# KiCad board CDJ-MainBoard.kicad_pcb (continued)
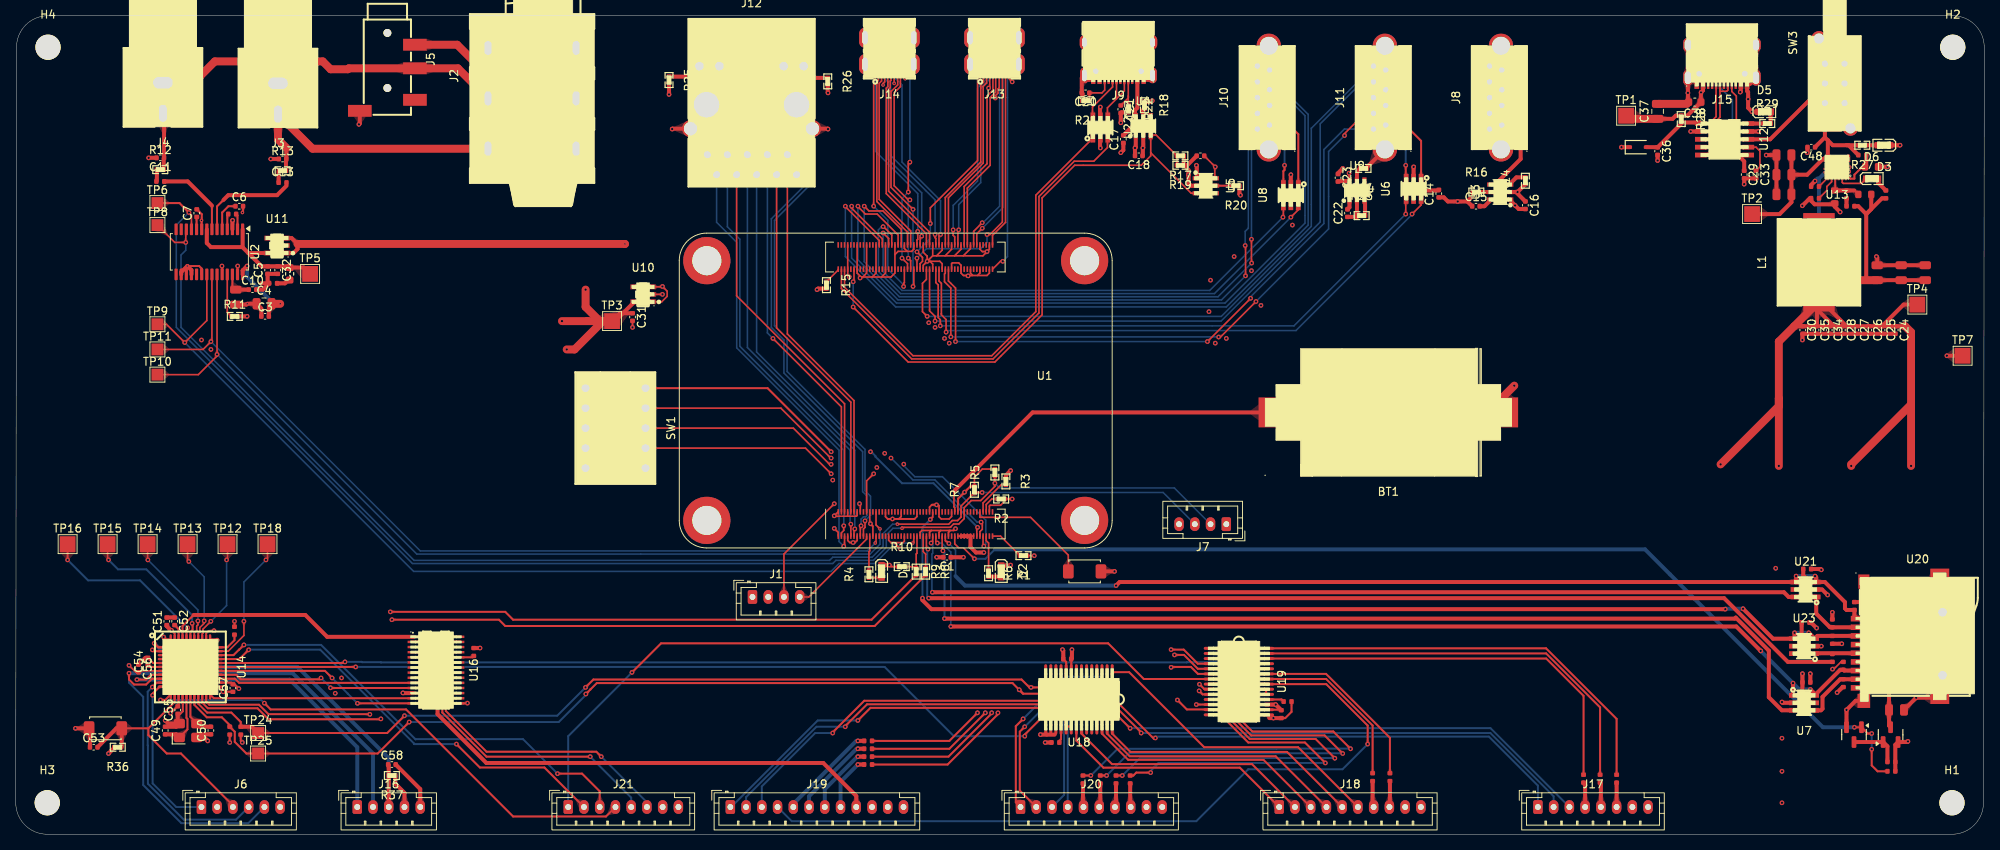
[diagram p0: board, top side]
## Library data of the parts (continued)
Q2 = -: Datasheet: https://www.lcsc.com/datasheet/lcsc_datasheet_1808272021_Vishay-Intertech-SI2301CDS-T1-GE3_C10487.pdf; Description: 20V 3.1A 112mΩ@4.5V,2.8A 1V@250uA 1 Piece P-Channel SOT-23 MOSFETs ROHS; LCSC: C10487; Stock: 476267; Price: 0.058USD; Process: SMT; Minimum Qty: 5; Attrition Qty: 4; Class: Basic Component; Category: Transistors,MOSFETs; Manufacturer: Vishay Intertech; Part: SI2301CDS-T1-GE3; Continuous Drain Current (Id): 2.3A; Input Capacitance (Ciss@Vds): 405pF@10V; Operating Temperature: -55°C~+150°C; Type: 1 Piece P-Channel; Drain Source Voltage (Vdss): 20V; Power Dissipation (Pd): 0.86W; Gate Threshold Voltage (Vgs(th)@Id): 1V@250uA; Reverse Transfer Capacitance (Crss@Vds): 55pF@10V; Drain Source On Resistance (RDS(on)@Vgs,Id): 0.112Ω@4.5V,2.8A; Total Gate Charge (Qg@Vgs): 3.3nC@10V; ki_fp_filters: Q_*
R1-R27 R29 R36 = -: Description: Resistor; ki_fp_filters: R_*
R28 = -: Description: Resistor; LCSC: C22978; ki_fp_filters: R_*
R30 = -: Datasheet: https://www.lcsc.com/datasheet/lcsc_datasheet_2206010100_UNI-ROYAL-Uniroyal-Elec-0402WGF1003TCE_C25741.pdf; Description: 62.5mW Thick Film Resistors 50V ±100ppm/°C ±1% 100kΩ 0402 Chip Resistor - Surface Mount ROHS; LCSC: C25741; Stock: 6969783; Price: 0.004USD; Process: SMT; Minimum Qty: 20; Attrition Qty: 10; Class: Basic Component; Category: Resistors,Chip Resistor - Surface Mount; Manufacturer: UNI-ROYAL(Uniroyal Elec); Part: 0402WGF1003TCE; Power(Watts): 62.5mW; Type: Thick Film Resistors; Overload Voltage (Max): 50V; Operating Temperature Range: -55°C~+155°C; Tolerance: ±1%; Temperature Coefficient: ±100ppm/°C; ki_fp_filters: R_*
R31 = -: Datasheet: https://www.lcsc.com/datasheet/lcsc_datasheet_2206010045_UNI-ROYAL-Uniroyal-Elec-0603WAF1802T5E_C25810.pdf; Description: 100mW Thick Film Resistors 75V ±100ppm/°C ±1% 18kΩ 0603 Chip Resistor - Surface Mount ROHS; LCSC: C25810; Stock: 574660; Price: 0.004USD; Process: SMT; Minimum Qty: 20; Attrition Qty: 10; Class: Basic Component; Category: Resistors,Chip Resistor - Surface Mount; Manufacturer: UNI-ROYAL(Uniroyal Elec); Part: 0603WAF1802T5E; Power(Watts): 100mW; Type: Thick Film Resistors; Overload Voltage (Max): 75V; Operating Temperature Range: -55°C~+155°C; Tolerance: ±1%; Temperature Coefficient: ±100ppm/°C; ki_fp_filters: R_*
R32 = -: Datasheet: https://www.lcsc.com/datasheet/lcsc_datasheet_2411221126_UNI-ROYAL-Uniroyal-Elec-0402WGF100JTCE_C25077.pdf; Description: 62.5mW Thick Film Resistors 50V ±1% ±200ppm/°C 10Ω 0402 Chip Resistor - Surface Mount ROHS; LCSC: C25077; Stock: 4873481; Price: 0.004USD; Process: SMT; Minimum Qty: 20; Attrition Qty: 10; Class: Basic Component; Category: Resistors,Chip Resistor - Surface Mount; Manufacturer: UNI-ROYAL(Uniroyal Elec); Part: 0402WGF100JTCE; Power(Watts): 62.5mW; Type: Thick Film Resistors; Overload Voltage (Max): 50V; Operating Temperature Range: -55°C~+155°C; Tolerance: ±1%; Temperature Coefficient: ±200ppm/°C; ki_fp_filters: R_*
R33 = -: Datasheet: https://www.lcsc.com/datasheet/lcsc_datasheet_2205311900_UNI-ROYAL-Uniroyal-Elec-0402WGF5100TCE_C25123.pdf; Description: 62.5mW Thick Film Resistors 50V ±100ppm/°C ±1% 510Ω 0402 Chip Resistor - Surface Mount ROHS; LCSC: C25123; Stock: 2434473; Price: 0.004USD; Process: SMT; Minimum Qty: 20; Attrition Qty: 12; Class: Basic Component; Category: Resistors,Chip Resistor - Surface Mount; Manufacturer: UNI-ROYAL(Uniroyal Elec); Part: 0402WGF5100TCE; Power(Watts): 62.5mW; Type: Thick Film Resistors; Overload Voltage (Max): 50V; Operating Temperature Range: -55°C~+155°C; Tolerance: ±1%; Temperature Coefficient: ±100ppm/°C; ki_fp_filters: R_*
R34 = -: Datasheet: https://www.lcsc.com/datasheet/lcsc_datasheet_2206010045_UNI-ROYAL-Uniroyal-Elec-0603WAF2003T5E_C25811.pdf; Description: 100mW Thick Film Resistors 75V ±100ppm/°C ±1% 200kΩ 0603 Chip Resistor - Surface Mount ROHS; LCSC: C25811; Stock: 1426208; Price: 0.004USD; Process: SMT; Minimum Qty: 20; Attrition Qty: 10; Class: Basic Component; Category: Resistors,Chip Resistor - Surface Mount; Manufacturer: UNI-ROYAL(Uniroyal Elec); Part: 0603WAF2003T5E; Power(Watts): 100mW; Type: Thick Film Resistors; Overload Voltage (Max): 75V; Operating Temperature Range: -55°C~+155°C; Tolerance: ±1%; Temperature Coefficient: ±100ppm/°C; ki_fp_filters: R_*
R35 = -: Datasheet: https://www.lcsc.com/datasheet/lcsc_datasheet_2206010130_UNI-ROYAL-Uniroyal-Elec-0603WAF2702T5E_C22967.pdf; Description: 100mW Thick Film Resistors 75V ±100ppm/°C ±1% 27kΩ 0603 Chip Resistor - Surface Mount ROHS; LCSC: C22967; Stock: 708507; Price: 0.004USD; Process: SMT; Minimum Qty: 20; Attrition Qty: 10; Class: Basic Component; Category: Resistors,Chip Resistor - Surface Mount; Manufacturer: UNI-ROYAL(Uniroyal Elec); Part: 0603WAF2702T5E; Power(Watts): 100mW; Type: Thick Film Resistors; Overload Voltage (Max): 75V; Operating Temperature Range: -55°C~+155°C; Tolerance: ±1%; Temperature Coefficient: ±100ppm/°C; ki_fp_filters: R_*
R37 = -: Description: Resistor pull up; ki_fp_filters: R_*
R41 R52 R55 R70-R76 = -: Datasheet: https://www.lcsc.com/datasheet/lcsc_datasheet_2411221126_UNI-ROYAL-Uniroyal-Elec-0402WGF1002TCE_C25744.pdf; Description: 62.5mW Thick Film Resistors 50V ±100ppm/°C ±1% 10kΩ 0402 Chip Resistor - Surface Mount ROHS; LCSC: C25744; Stock: 24372091; Price: 0.004USD; Process: SMT; Minimum Qty: 20; Attrition Qty: 10; Class: Basic Component; Category: Resistors,Chip Resistor - Surface Mount; Manufacturer: UNI-ROYAL(Uniroyal Elec); Part: 0402WGF1002TCE; Power(Watts): 62.5mW; Type: Thick Film Resistors; Overload Voltage (Max): 50V; Operating Temperature Range: -55°C~+155°C; Tolerance: ±1%; Temperature Coefficient: ±100ppm/°C; ki_fp_filters: R_*
R53 R54 = -: Datasheet: https://www.lcsc.com/datasheet/lcsc_datasheet_2206010045_UNI-ROYAL-Uniroyal-Elec-0402WGF4701TCE_C25900.pdf; Description: 62.5mW Thick Film Resistors 50V ±100ppm/°C ±1% 4.7kΩ 0402 Chip Resistor - Surface Mount ROHS; LCSC: C25900; Stock: 7644059; Price: 0.004USD; Process: SMT; Minimum Qty: 20; Attrition Qty: 10; Class: Basic Component; Category: Resistors,Chip Resistor - Surface Mount; Manufacturer: UNI-ROYAL(Uniroyal Elec); Part: 0402WGF4701TCE; Power(Watts): 62.5mW; Type: Thick Film Resistors; Overload Voltage (Max): 50V; Operating Temperature Range: -55°C~+155°C; Tolerance: ±1%; Temperature Coefficient: ±100ppm/°C; ki_fp_filters: R_*
R56-R68 = -: Datasheet: https://www.lcsc.com/datasheet/lcsc_datasheet_2205311900_UNI-ROYAL-Uniroyal-Elec-0402WGF3300TCE_C25104.pdf; Description: 62.5mW Thick Film Resistors 50V ±100ppm/°C ±1% 330Ω 0402 Chip Resistor - Surface Mount ROHS; LCSC: C25104; Stock: 1159127; Price: 0.004USD; Process: SMT; Minimum Qty: 20; Attrition Qty: 10; Class: Basic Component; Category: Resistors,Chip Resistor - Surface Mount; Manufacturer: UNI-ROYAL(Uniroyal Elec); Part: 0402WGF3300TCE; Power(Watts): 62.5mW; Type: Thick Film Resistors; Overload Voltage (Max): 50V; Operating Temperature Range: -55°C~+155°C; Tolerance: ±1%; Temperature Coefficient: ±100ppm/°C; ki_fp_filters: R_*
R69 = -: Datasheet: https://www.lcsc.com/datasheet/lcsc_datasheet_2205311900_UNI-ROYAL-Uniroyal-Elec-0402WGF330JTCE_C25105.pdf; Description: 62.5mW Thick Film Resistors 50V ±100ppm/°C ±1% 33Ω 0402 Chip Resistor - Surface Mount ROHS; LCSC: C25105; Stock: 2122900; Price: 0.004USD; Process: SMT; Minimum Qty: 20; Attrition Qty: 10; Class: Basic Component; Category: Resistors,Chip Resistor - Surface Mount; Manufacturer: UNI-ROYAL(Uniroyal Elec); Part: 0402WGF330JTCE; Power(Watts): 62.5mW; Type: Thick Film Resistors; Overload Voltage (Max): 50V; Operating Temperature Range: -55°C~+155°C; Tolerance: ±1%; Temperature Coefficient: ±100ppm/°C; ki_fp_filters: R_*
SW1 = -: Datasheet: https://so.szlcsc.com/global.html?c=&k=C126889; LCSC: C126889
SW2 SW4 = -: Description: Push button switch, generic, two pins
SW3 = -: Datasheet: https://atta.szlcsc.com/upload/public/pdf/source/20210825/03FED21E2D4F2980BA08F4ED04C13B40.pdf; LCSC: C19190928
TP1-TP16 TP18 TP24 TP25 = -: Description: test point; ki_fp_filters: Pin* Test*
U2 = -: Datasheet: http://www.ti.com/lit/ds/symlink/pcm5122.pdf; Description: 2VRMS DirectPath, 112dB Audio Stereo DAC with 32-bit, 384kHz PCM Interface, TSSOP-28; ki_fp_filters: TSSOP*4.4x9.7mm*P0.65mm*
U3-U5 U9 = -: Datasheet: https://item.szlcsc.com/211080.html; LCSC: C212302
U6-U8 U21-U23 = -: Datasheet: https://item.szlcsc.com/169042.html; LCSC: C5180249
U10 = -: Datasheet: https://www.diodes.com/assets/Datasheets/AP2112.pdf; Description: 600mA low dropout linear regulator, with enable pin, 3.8V-6V input voltage range, 3.3V fixed positive output, SOT-23-5; ki_fp_filters: SOT?23?5*
U11 = -: Datasheet: https://www.diodes.com/assets/Datasheets/AP2112.pdf; Description: clean analog, for PCM5242 analog section only -- 600mA low dropout linear regulator, with enable pin, 3.8V-6V input voltage range, 3.3V fixed positive output, SOT-23-5; ki_fp_filters: SOT?23?5*
U12 = -: Datasheet: https://www.wch.cn/downloads/file/301.html; Description: 100W USB Type-C PD3.0/2.0, BC1.2 Sink Controller, SSOP-10; ki_fp_filters: SSOP*3.9x4.9mm*P1mm*EP2.1x3.3mm*
U13 = -: Datasheet: https://atta.szlcsc.com/upload/public/pdf/source/20180224/C178253_15194367790221363788.pdf; LCSC: C207642
U14 = -: Datasheet: http://ww1.microchip.com/downloads/en/DeviceDoc/Atmel-7766-8-bit-AVR-ATmega16U4-32U4_Datasheet.pdf; Description: 16MHz, 32kB Flash, 2.5kB SRAM, 1kB EEPROM, USB 2.0, TQFP-44; ki_fp_filters: TQFP*10x10mm*P0.8mm*
U16 = -: Datasheet: https://item.szlcsc.com/6601.html; LCSC: C179326
U18 = -: Datasheet: https://item.szlcsc.com/397275.html; Description: MCP1_BTNS; LCSC: C558584
U19 = -: Datasheet: https://item.szlcsc.com/397275.html; Description: MCP2_LEDS; LCSC: C558584
U20 = -: Datasheet: https://item.szlcsc.com/112422.html; LCSC: C111196
X1 = -: Datasheet: https://www.lcsc.com/datasheet/lcsc_datasheet_2403291504_YXC-Crystal-Oscillators-X322516MLB4SI_C13738.pdf; Description: 16MHz Surface Mount Crystal 9pF ±10ppm ±20ppm SMD3225-4P Crystals ROHS; LCSC: C13738; Stock: 162087; Price: 0.068USD; Process: SMT; Minimum Qty: 5; Attrition Qty: 4; Class: Basic Component; Category: Crystals/Oscillators/Resonators,Crystals; Manufacturer: Yangxing Tech; Frequency: 16MHz; Frequency Stability: ±20ppm; Operating Temperature: -40°C~+85°C; Frequency Tolerance: ±10ppm; Crystal Type: SMD Crystal Resonator; Load Capacitance: 9pF; Normal Temperature Frequency Tolerance: ±10ppm; Type: Surface Mount Crystal

## Footprints (pads in the part's own frame, mm; a bottom-side part is the same pattern mirrored in y, then rotated)
AUDIO-SMD_PJ-320D-1
  round 1 hole 1 unplated: (-5.7,0) (1.3,0)
  rect 1.5x3 smd: 1(4.2,-3.5) 2(-4.2,3.5) 3(-1.2,3.5) 4(2.8,3.5)
AUDIO-TH_PJ-611E_1
  oval 2.3x1.4 hole 1.8x0.9: 2(6.4,5.6) 3(6.4,-5.6) 4(0,5.6) 5(0,-5.6) 6(-6.4,5.6) 7(-6.4,-5.6)
BAT-TH_CR2032-BS-6-1
  rect 4.2x3.8 smd: 1(14.385,0) 2(-14.385,0)
C_0402
  rrect 0.56x0.62 smd: 1(-0.5,0) 2(0.5,0)
C_0402_1005Metric
  rrect 0.56x0.62 smd: 1(-0.48,0) 2(0.48,0)
C_0603_1608Metric
  rrect 0.9x0.95 smd: 1(-0.775,0) 2(0.775,0)
C_0805
  rrect 1x1.45 smd: 1(-0.95,0) 2(0.95,0)
C_0805_2012Metric
  rrect 1x1.45 smd: 1(-0.95,0) 2(0.95,0)
CM5
  round 2.7 hole 2.7 unplated: (-16.5,26.5) (-16.5,-21.5) (16.5,26.5)
  round 6 hole 3.7 unplated: (-16.5,26.5) (-16.5,-21.5) (16.5,26.5) (16.5,-21.5)
  rect 0.7x0.2 smd: 1(-18.5,9.8) 2(-15.42,9.8) 3(-18.5,9.4) 4(-15.42,9.4) 5(-18.5,9) 6(-15.42,9) 7(-18.5,8.6) 8(-15.42,8.6) 9(-18.5,8.2) 10(-15.42,8.2) 11(-18.5,7.8) 12(-15.42,7.8) 13(-18.5,7.4) 14(-15.42,7.4) 15(-18.5,7) 16(-15.42,7) 17(-18.5,6.6) 18(-15.42,6.6) 19(-18.5,6.2) 20(-15.42,6.2) 21(-18.5,5.8) 22(-15.42,5.8) 23(-18.5,5.4) 24(-15.42,5.4) 25(-18.5,5) 26(-15.42,5) 27(-18.5,4.6) 28(-15.42,4.6) 29(-18.5,4.2) 30(-15.42,4.2) 31(-18.5,3.8) 32(-15.42,3.8) 33(-18.5,3.4) 34(-15.42,3.4) 35(-18.5,3) 36(-15.42,3) 37(-18.5,2.6) 38(-15.42,2.6) 39(-18.5,2.2) 40(-15.42,2.2) 41(-18.5,1.8) 42(-15.42,1.8) 43(-18.5,1.4) 44(-15.42,1.4) 45(-18.5,1) 46(-15.42,1) 47(-18.5,0.6) 48(-15.42,0.6) 49(-18.5,0.2) 50(-15.42,0.2) 51(-18.5,-0.2) 52(-15.42,-0.2) 53(-18.5,-0.6) 54(-15.42,-0.6) 55(-18.5,-1) 56(-15.42,-1) 57(-18.5,-1.4) 58(-15.42,-1.4) 59(-18.5,-1.8) 60(-15.42,-1.8) 61(-18.5,-2.2) 62(-15.42,-2.2) 63(-18.5,-2.6) 64(-15.42,-2.6) 65(-18.5,-3) 66(-15.42,-3) 67(-18.5,-3.4) 68(-15.42,-3.4) 69(-18.5,-3.8) 70(-15.42,-3.8) 71(-18.5,-4.2) 72(-15.42,-4.2) 73(-18.5,-4.6) 74(-15.42,-4.6) 75(-18.5,-5) 76(-15.42,-5) 77(-18.5,-5.4) 78(-15.42,-5.4) 79(-18.5,-5.8) 80(-15.42,-5.8) 81(-18.5,-6.2) 82(-15.42,-6.2) 83(-18.5,-6.6) 84(-15.42,-6.6) 85(-18.5,-7) 86(-15.42,-7) 87(-18.5,-7.4) 88(-15.42,-7.4) 89(-18.5,-7.8) 90(-15.42,-7.8) 91(-18.5,-8.2) 92(-15.42,-8.2) 93(-18.5,-8.6) 94(-15.42,-8.6) 95(-18.5,-9) 96(-15.42,-9) 97(-18.5,-9.4) 98(-15.42,-9.4) 99(-18.5,-9.8) 100(-15.42,-9.8) 101(15.42,9.8) 102(18.5,9.8) 103(15.42,9.4) 104(18.5,9.4) 105(15.42,9) 106(18.5,9) 107(15.42,8.6) 108(18.5,8.6) 109(15.42,8.2) 110(18.5,8.2) 111(15.42,7.8) 112(18.5,7.8) 113(15.42,7.4) 114(18.5,7.4) 115(15.42,7) 116(18.5,7) 117(15.42,6.6) 118(18.5,6.6) 119(15.42,6.2) 120(18.5,6.2) 121(15.42,5.8) 122(18.5,5.8) 123(15.42,5.4) 124(18.5,5.4) 125(15.42,5) 126(18.5,5) 127(15.42,4.6) 128(18.5,4.6) 129(15.42,4.2) 130(18.5,4.2) 131(15.42,3.8) 132(18.5,3.8) 133(15.42,3.4) 134(18.5,3.4) 135(15.42,3) 136(18.5,3) 137(15.42,2.6) 138(18.5,2.6) 139(15.42,2.2) 140(18.5,2.2) 141(15.42,1.8) 142(18.5,1.8) 143(15.42,1.4) 144(18.5,1.4) 145(15.42,1) 146(18.5,1) 147(15.42,0.6) 148(18.5,0.6) 149(15.42,0.2) 150(18.5,0.2) 151(15.42,-0.2) 152(18.5,-0.2) 153(15.42,-0.6) 154(18.5,-0.6) 155(15.42,-1) 156(18.5,-1) 157(15.42,-1.4) 158(18.5,-1.4) 159(15.42,-1.8) 160(18.5,-1.8) 161(15.42,-2.2) 162(18.5,-2.2) 163(15.42,-2.6) 164(18.5,-2.6) 165(15.42,-3) 166(18.5,-3) 167(15.42,-3.4) 168(18.5,-3.4) 169(15.42,-3.8) 170(18.5,-3.8) 171(15.42,-4.2) 172(18.5,-4.2) 173(15.42,-4.6) 174(18.5,-4.6) 175(15.42,-5) 176(18.5,-5) 177(15.42,-5.4) 178(18.5,-5.4) 179(15.42,-5.8) 180(18.5,-5.8) 181(15.42,-6.2) 182(18.5,-6.2) 183(15.42,-6.6) 184(18.5,-6.6) 185(15.42,-7) 186(18.5,-7) 187(15.42,-7.4) 188(18.5,-7.4) 189(15.42,-7.8) 190(18.5,-7.8) 191(15.42,-8.2) 192(18.5,-8.2) 193(15.42,-8.6) 194(18.5,-8.6) 195(15.42,-9) 196(18.5,-9) 197(15.42,-9.4) 198(18.5,-9.4) 199(15.42,-9.8) 200(18.5,-9.8)
CONN-TH_AV-5
  oval 3.6x2.4 hole 2.5x1.5: 1(0,-1.95)
  oval 1.8x3.2 hole 1x2.2: 2(0,1.95)
D_SOD-323
  rrect 0.6x0.45 smd: 1(-1.05,0) 2(1.05,0)
ESSOP-10_L4.9-W3.9-P1.0-LS6.0-TL-EP
  rect 0.6x1.5 smd: 1(-2,-3) 2(-1,-3) 3(0,-3) 4(1,-3) 5(2,-3) 6(2,3) 7(1,3) 8(0,3) 9(-1,3) 10(-2,3)
  rect 3.3x2.1 smd: 11(0,0)
FB_0603
  rrect 0.88x0.95 smd: 1(-0.79,0) 2(0.79,0)
HDMI-SMD_HDMI-101S
  rect 0.2x0.84 smd: 1(1.8,2.385) 3(1.4,2.385) 5(1,2.385) 7(0.6,2.385) 9(0.2,2.385) 11(-0.2,2.385) 13(-0.6,2.385) 15(-1,2.385) 17(-1.4,2.385) 19(-1.8,2.385)
  rect 0.2x1 smd: 2(1.6,1.165) 4(1.2,1.165) 6(0.8,1.165) 8(0.4,1.165) 10(0,1.165) 12(-0.4,1.165) 14(-0.8,1.165) 16(-1.2,1.165) 18(-1.6,1.165)
  oval 1.5x2.55 hole 0.7x1.7: 20(-3.1,0.975) 20(-3.1,-2.385) 20(3.1,0.975) 20(3.1,-2.385)
IND-SMD_SL1040-R47M
  rect 3.25x4 smd: 1(-4.625,0) 2(4.625,0)
JST_PH_B4B-PH-K_1x04_P2.00mm_Vertical
  rrect 1.2x1.75 hole 0.75: 1(0,0)
  oval 1.2x1.75 hole 0.75: 2(2,0) 3(4,0) 4(6,0)
JST_PH_B5B-PH-K_1x05_P2.00mm_Vertical
  rrect 1.2x1.75 hole 0.75: 1(0,0)
  oval 1.2x1.75 hole 0.75: 2(2,0) 3(4,0) 4(6,0) 5(8,0)
JST_PH_B6B-PH-K_1x06_P2.00mm_Vertical
  rrect 1.2x1.75 hole 0.75: 1(0,0)
  oval 1.2x1.75 hole 0.75: 2(2,0) 3(4,0) 4(6,0) 5(8,0) 6(10,0)
JST_PH_B8B-PH-K_1x08_P2.00mm_Vertical
  rrect 1.2x1.75 hole 0.75: 1(0,0)
  oval 1.2x1.75 hole 0.75: 2(2,0) 3(4,0) 4(6,0) 5(8,0) 6(10,0) 7(12,0) 8(14,0)
JST_PH_B10B-PH-K_1x10_P2.00mm_Vertical
  rrect 1.2x1.75 hole 0.75: 1(0,0)
  oval 1.2x1.75 hole 0.75: 2(2,0) 3(4,0) 4(6,0) 5(8,0) 6(10,0) 7(12,0) 8(14,0) 9(16,0) 10(18,0)
JST_PH_B12B-PH-K_1x12_P2.00mm_Vertical
  rrect 1.2x1.75 hole 0.75: 1(0,0)
  oval 1.2x1.75 hole 0.75: 2(2,0) 3(4,0) 4(6,0) 5(8,0) 6(10,0) 7(12,0) 8(14,0) 9(16,0) 10(18,0) 11(20,0) 12(22,0)
LED0603-RD
  rect 0.8x0.8 smd: 1(-0.749,0) 2(0.749,0)
LED0603-RD_BLUE
  rect 0.8x0.8 smd: 1(-0.749,-0.004) 2(0.749,0.004)
LED0603-RD_GREEN
  rect 0.8x0.8 smd: 1(-0.799,-0.003) 2(0.799,0.003)
MountingHole_3.2mm_M3
  round 3.2 hole 3.2 unplated: (0,0)
OSC-SMD_4P-L3.2-W2.5-BL
  rrect 1.4x1.2 smd: 1(-1.1,-0.88) 2(1.1,-0.88) 3(1.1,0.88) 4(-1.1,0.88)
Q_SOT-23
  rrect 1.48x0.6 smd: 1(-0.94,0.95) 2(-0.94,-0.95) 3(0.94,0)
QFN-12_L3.0-W3.0-P0.45-TL-EP
  custom 1.95x0.702 smd: 1(-0.746,0.299)
  custom 1.099x0.85 smd: 2(-0.01,-0.45)
  custom 1.943x0.802 smd: 3(-0.732,-1.201)
  rect 1.1x0.75 smd: 4(1.14,-1.198)
  rect 1.1x0.26 smd: 5(1.14,0.052) 6(1.14,0.502)
  rect 0.25x0.6 smd: 7(1.109,1.201) 8(0.66,1.201) 9(0.21,1.201) 10(-0.241,1.201) 11(-0.69,1.201) 12(-1.14,1.201)
R0402
  rect 0.566x0.54 smd: 1(-0.433,0) 2(0.433,0)
R_0402
  rrect 0.56x0.62 smd: 1(-0.5,0) 2(0.5,0)
R_0603
  rrect 0.8x0.95 smd: 1(-0.82,0) 2(0.82,0)
RJ45-TH_HR911130A
  round 3.25 hole 3.25 unplated: (-5.715,1.995) (5.715,1.995)
  rect 1.524x1.524 hole 0.91: 1(5.72,-6.895)
  round 1.524 hole 0.91: 2(4.549,-4.355) 3(3.18,-6.895) 4(2.009,-4.355) 5(0.64,-6.895) 6(-0.531,-4.355) 7(-1.9,-6.895) 8(-3.071,-4.355) 9(-4.44,-6.895) 10(-5.611,-4.355)
  round 1.7 hole 1.1: 11(6.625,6.895) 12(4.085,6.895) 13(-4.085,6.895) 14(-6.625,6.895)
  round 2.159 hole 1.7: SHIELD0(-7.745,-1.055) SHIELD1(7.745,-1.055)
SOT-23-5_L2.9-W1.6-P0.95-LS2.8-BR
  rect 1x0.6 smd: 1(1.1,-0.95) 2(1.1,0) 3(1.1,0.95) 4(-1.1,0.95) 5(-1.1,-0.95)
SOT-23-6_L2.9-W1.6-P0.95-LS2.8-BR
  rect 1.1x0.6 smd: 1(1.35,-0.95) 2(1.35,0) 3(1.35,0.95) 4(-1.35,0.95) 5(-1.35,0) 6(-1.35,-0.95)
SOT-26_L3.0-W1.6-P0.95-LS2.8-BL
  rect 0.532x1.04 smd: 1(-0.95,-1.145) 2(0,-1.145) 3(0.95,-1.145) 4(0.95,1.145) 5(0,1.145) 6(-0.95,1.145)
SSOP-28_L10.2-W5.3-P0.65-LS7.8-BL
  oval 0.364x2.015 smd: 1(-4.225,-3.455) 2(-3.575,-3.455) 3(-2.925,-3.455) 4(-2.275,-3.455) 5(-1.625,-3.455) 6(-0.975,-3.455) 7(-0.325,-3.455) 8(0.325,-3.455) 9(0.975,-3.455) 10(1.625,-3.455) 11(2.275,-3.455) 12(2.925,-3.455) 13(3.575,-3.455) 14(4.225,-3.455) 15(4.225,3.455) 16(3.575,3.455) 17(2.925,3.455) 18(2.275,3.455) 19(1.625,3.455) 20(0.975,3.455) 21(0.325,3.455) 22(-0.325,3.455) 23(-0.975,3.455) 24(-1.625,3.455) 25(-2.275,3.455) 26(-2.925,3.455) 27(-3.575,3.455) 28(-4.225,3.455)
SW-TH_DSWB05LHGET
  round 1.6 hole 1: 1(-5.08,3.81) 2(-2.54,3.81) 3(0,3.81) 4(2.54,3.81) 5(5.08,3.81) 6(5.08,-3.81) 7(2.54,-3.81) 8(0,-3.81) 9(-2.54,-3.81) 10(-5.08,-3.81)
SW-TH_PS-22E05
  round 1.4 hole 0.8: 1(-2.5,1.25) 2(-2.5,-1.25) 3(0,-1.25) 4(0,1.25) 5(2.5,1.25) 6(2.5,-1.25)
  round 1.9 hole 1.3: 7(-5.702,-1.999) 8(5.702,1.999)
SW_TS-1088-AR02016
  rrect 1.35x1.8 smd: 1(-2.075,0) 2(2.075,0)
TestPoint_Pad_1.5x1.5mm
  rect 1.5x1.5 smd: 1(0,0)
TestPoint_Pad_2.0x2.0mm
  rect 2x2 smd: 1(0,0)
TF-SMD_TF-15-15
  round 1.1 hole 1.1 unplated: (5.601,3.25) (5.601,-4.75)
  rect 1.6x0.701 smd: 1(-5.251,2.45) 2(-5.251,1.35) 3(-5.251,0.25) 4(-5.251,-0.85) 5(-5.251,-1.95) 6(-5.251,-3.05) 7(-5.251,-4.15) 8(-5.251,-5.25) 9(-5.251,-6.35)
  rect 1.6x1.8 smd: 10(-4.399,-8)
  rect 2.4x1.6 smd: 11(5.251,-7.6) 12(5.251,8)
  rect 1.4x1.801 smd: 13(-4.398,7.15)
TSSOP-28_4.4x9.7mm_P0.65mm
  rrect 1.475x0.4 smd: 1(-2.862,4.225) 2(-2.862,3.575) 3(-2.862,2.925) 4(-2.862,2.275) 5(-2.862,1.625) 6(-2.862,0.975) 7(-2.862,0.325) 8(-2.862,-0.325) 9(-2.862,-0.975) 10(-2.862,-1.625) 11(-2.862,-2.275) 12(-2.862,-2.925) 13(-2.862,-3.575) 14(-2.862,-4.225) 15(2.862,-4.225) 16(2.862,-3.575) 17(2.862,-2.925) 18(2.862,-2.275) 19(2.862,-1.625) 20(2.862,-0.975) 21(2.862,-0.325) 22(2.862,0.325) 23(2.862,0.975) 24(2.862,1.625) 25(2.862,2.275) 26(2.862,2.925) 27(2.862,3.575) 28(2.862,4.225)
TSSOP-28_L9.8-W6.6-P0.65-BL
  rect 0.3x1.6 smd: 1(-4.225,-2.8) 2(-3.575,-2.8) 3(-2.925,-2.8) 4(-2.275,-2.8) 5(-1.625,-2.8) 6(-0.975,-2.8) 7(-0.325,-2.8) 8(0.325,-2.8) 9(0.975,-2.8) 10(1.625,-2.8) 11(2.275,-2.8) 12(2.925,-2.8) 13(3.575,-2.8) 14(4.225,-2.8) 15(4.225,2.8) 16(3.575,2.8) 17(2.925,2.8) 18(2.275,2.8) 19(1.625,2.8) 20(0.975,2.8) 21(0.325,2.8) 22(-0.325,2.8) 23(-0.975,2.8) 24(-1.625,2.8) 25(-2.275,2.8) 26(-2.925,2.8) 27(-3.575,2.8) 28(-4.225,2.8)
USB-3.0-A-TH_HC-ST-003-010-L15.0-J-K
  rect 1.1x1.1 hole 0.7: 1(-3.5,-0.775)
  round 1.1 hole 0.7: 2(-1,-0.775) 3(1,-0.775) 4(3.5,-0.775) 5(4,0.775) 6(2,0.775) 7(0,0.775) 8(-2,0.775) 9(-4,0.775)
  round 3.1 hole 2.3: 10(-6.575,-0.675) 11(6.575,-0.675)
USB-C-SMD_TYPE-C-6PIN-2MD-073
  round 0.7 hole 0.7 unplated: (-2.89,1.305) (2.89,1.305)
  rect 0.55x1.1 smd: 1(-3.2,2.375) 2(-2.4,2.375) 11(2.4,2.375) 12(3.2,2.375)
  rect 0.3x1.1 smd: 3(-1.75,2.375) 4(-1.25,2.375) 5(-0.75,2.375) 6(-0.25,2.375) 7(0.25,2.375) 8(0.75,2.375) 9(1.25,2.375) 10(1.75,2.375)
  oval 1.1x2 hole 0.6x1.5: 13(-4.325,1.825) 14(4.325,1.825)
  oval 1.2x1.8 hole 0.6x1.2: 13(-4.325,-2.375) 14(4.325,-2.375)
USB-C_SMD-TYPE-C-31-M-12_1
  round 0.75 hole 0.75 unplated: (-2.9,1.206) (2.9,1.206)
  oval 1.2x2 hole 0.8x1.6: 1(4.325,1.706) 4(-4.325,1.706)
  oval 1.2x1.8 hole 0.8x1.4: 2(4.325,-2.474) 3(-4.325,-2.474)
  custom 0.6x1.3 smd: A1B12(-3.2,2.474) A4B9(-2.4,2.474) B1A12(3.2,2.474) B4A9(2.4,2.474)
  rect 0.3x1.3 smd: A5(-1.25,2.474) A6(-0.25,2.474) A7(0.25,2.474) A8(1.25,2.474) B5(1.75,2.474) B6(0.75,2.474) B7(-0.75,2.474) B8(-1.75,2.474)
VQFN-44_L7.0-W7.0-P0.50-BL-EP5.2
  oval 0.3x1.3 smd: 1(-2.5,-3.5) 2(-2,-3.5) 3(-1.5,-3.5) 4(-1,-3.5) 5(-0.5,-3.5) 6(0,-3.5) 7(0.5,-3.5) 8(1,-3.5) 9(1.5,-3.5) 10(2,-3.5) 11(2.5,-3.5) 23(2.5,3.5) 24(2,3.5) 25(1.5,3.5) 26(1,3.5) 27(0.5,3.5) 28(0,3.5) 29(-0.5,3.5) 30(-1,3.5) 31(-1.5,3.5) 32(-2,3.5) 33(-2.5,3.5)
  oval 1.3x0.3 smd: 12(3.5,-2.5) 13(3.5,-2) 14(3.5,-1.5) 15(3.5,-1) 16(3.5,-0.5) 17(3.5,0) 18(3.5,0.5) 19(3.5,1) 20(3.5,1.5) 21(3.5,2) 22(3.5,2.5) 34(-3.5,2.5) 35(-3.5,2) 36(-3.5,1.5) 37(-3.5,1) 38(-3.5,0.5) 39(-3.5,0) 40(-3.5,-0.5) 41(-3.5,-1) 42(-3.5,-1.5) 43(-3.5,-2) 44(-3.5,-2.5)
  rect 5.2x5.2 smd: 45(0,0)

## Nets
+3.3V: C1.1 C3.2 C4.2 C31.1 C65.1 C66.1 C75.1 J7.4 J12.10 Q2.2 R5.2 R7.2 R11.2 R25.2 R26.2 R70.1 R71.1 R72.1 R73.1 R74.1 R75.1 R76.1 TP3.1 U1.78 U2.28 U7.5 U10.5 U21.5 U23.5
+3.3V_ANALOG: C5.2 C32.1 FB1.2 TP5.1 U2.1 U2.8 U11.5
+5V: C14.2 C16.2 C18.2 C22.2 C24.1 C25.1 C26.1 C27.1 C28.1 C30.1 C34.1 C35.1 C39.2 C40.2 C41.2 C47.2 C55.2 C56.2 C57.2 C61.1 C62.1 C63.1 J1.2 J6.2 J13.19 J14.19 J16.4 J17.7 J18.9 J19.10 J20.9 J21.7 L1.1 R1.1 R33.1 R34.2 R36.2 R37.1 R52.2 R53.1 R54.1 R55.2 TP4.1 U1.77 U1.79 U1.81 U1.83 U1.85 U1.87 U3.1 U4.1 U5.1 U6.5 U8.5 U9.1 U10.1 U10.3 U11.1 U11.3 U14.2 U14.7 U14.14 U14.24 U14.34 U14.44 U16.24 U18.9 U19.9 U19.15 U22.5
+20V_USB: C42.1 C43.1 C46.2 C48.1 R27.2 R30.1 SW3.1 TP2.1 U13.4 U13.5 U13.6
+20V_USB_RAIL: C37.1 C38.1 J15.A4B9 J15.B4A9 R28.1 TP1.1
GND: BT1.2 C1.2 C2.1 C3.1 C4.1 C5.1 C6.2 C7.2 C10.2 C11.2 C13.2 C14.1 C15.1 C16.1 C17.1 C18.1 C19.1 C20.2 C21.2 C22.1 C23.1 C24.2 C25.2 C26.2 C27.2 C28.2 C29.2 C30.2 C31.2 C32.2 C33.2 C34.2 C35.2 C36.2 C37.2 C38.2 C39.1 C40.1 C41.1 C42.2 C43.2 C45.1 C46.1 C48.2 C49.2 C50.1 C51.1 C53.1 C54.2 C55.1 C56.1 C57.1 C58.2 C60.2 C61.2 C62.2 C63.2 C65.2 C66.2 C75.2 C76.1 D1.1 D2.1 D3.1 D4.1 D5.1 J1.1 J2.2 J5.1 J6.6 J7.1 J8.4 J8.5 J9.1 J9.12 J9.13 J9.14 J10.4 J10.7 J10.10 J11.4 J11.7 J11.10 J12.SHIELD0 J12.SHIELD1 J13.4 J13.7 J13.10 J13.13 J13.16 J14.4 J14.7 J14.10 J14.13 J14.16 J15.1 J15.2 J15.3 J15.4 J15.A1B12 J15.B1A12 J16.5 J17.8 J18.10 J19.11 J19.12 J20.10 J21.8 Q1.2 R2.1 R3.1 R10.1 R14.1 R15.2 R16.1 R17.1 R18.1 R19.1 R20.1 R21.2 R22.2 R23.1 R24.1 R31.2 R35.2 R41.2 SW1.6 SW1.7 SW1.8 SW1.9 SW1.10 SW2.2 SW4.1 TP7.1 U1.1 U1.2 U1.7 U1.8 U1.13 U1.14 U1.22 U1.23 U1.32 U1.33 U1.42 U1.43 U1.52 U1.53 U1.59 U1.60 U1.65 U1.66 U1.71 U1.74 U1.98 U1.107 U1.108 U1.113 U1.114 U1.119 U1.120 U1.125 U1.126 U1.131 U1.132 U1.137 U1.138 U1.144 U1.150 U1.155 U1.156 U1.161 U1.162 U1.167 U1.168 U1.173 U1.174 U1.179 U1.180 U1.185 U1.186 U1.191 U1.192 U1.197 U1.198 U2.3 U2.9 U2.16 U2.17 U2.18 U2.20 U2.24 U2.27 U3.2 U4.2 U5.2 U6.2 U7.2 U8.2 U9.2 U10.2 U11.2 U12.2 U12.9 U12.11 U13.1 U13.3 U14.5 U14.15 U14.23 U14.35 U14.43 U16.12 U16.15 U18.10 U18.15 U18.16 U18.17 U19.10 U19.16 U19.17 U20.6 U20.10 U20.11 U20.12 U20.13 U21.2 U22.2 U23.2 X1.2 X1.4
/Arduino MIDI/BTN_BACK: J21.1 U19.7
/Arduino MIDI/BTN_CUE: J18.2 U18.22
/Arduino MIDI/BTN_DIRECTION: J20.1 U18.2
/Arduino MIDI/BTN_HOTCUE_1: J17.1 U18.3
/Arduino MIDI/BTN_HOTCUE_2: J17.2 U18.4
/Arduino MIDI/BTN_HOTCUE_3: J17.3 U18.5
/Arduino MIDI/BTN_JOG_MODE: J19.4 U19.21
/Arduino MIDI/BTN_LOOP_IN: J20.2 U18.6
/Arduino MIDI/BTN_LOOP_OUT: J20.3 U18.7
/Arduino MIDI/BTN_MTEMPO: J19.2 U18.24
/Arduino MIDI/BTN_PLAY: J18.1 U18.21
/Arduino MIDI/BTN_RELOOP: J20.4 U18.8
/Arduino MIDI/BTN_SEARCH_L: J18.3 U18.26
/Arduino MIDI/BTN_SEARCH_R: J18.4 U18.27
/Arduino MIDI/BTN_TEMPO_RANGE: J19.3 U18.25
/Arduino MIDI/BTN_TEMPO_RST: J19.1 U18.23
/Arduino MIDI/BTN_TRACK_L: J18.5 U18.28
/Arduino MIDI/BTN_TRACK_R: J18.6 U18.1
/Arduino MIDI/FADER_ADIN: J19.9 U16.9
/Arduino MIDI/I2C_SCL_ATMEGA: R53.2 TP25.1 U14.18 U18.12 U19.12
/Arduino MIDI/I2C_SDA_ATMEGA: R54.2 TP24.1 U14.19 U18.13 U19.13
/Arduino MIDI/JOG1: J16.1 U14.8
/Arduino MIDI/JOG_TOUCH: C58.1 J16.3 R37.2 U14.1
/Arduino MIDI/LED_CUE: J18.8 R61.2
/Arduino MIDI/LED_DIRECTION: J20.5 R59.2
/Arduino MIDI/LED_HOTCUE1: J17.4 R58.2
/Arduino MIDI/LED_HOTCUE2: J17.5 R57.2
/Arduino MIDI/LED_HOTCUE3: J17.6 R56.2
/Arduino MIDI/LED_JOG_MODE_1: J19.5 R66.1
/Arduino MIDI/LED_JOG_MODE_2: J19.6 R67.1
/Arduino MIDI/LED_LOOP_IN: J20.6 R63.1
/Arduino MIDI/LED_LOOP_OUT: J20.7 R64.1
/Arduino MIDI/LED_MTEMPO: J19.8 R60.2
/Arduino MIDI/LED_PLAY: J18.7 R62.2
/Arduino MIDI/LED_RELOOP: J20.8 R65.1
/Arduino MIDI/LED_TEMPO_RST: J19.7 R68.1
/Arduino MIDI/MCP1_INT: U14.28 U18.19 U18.20
/Arduino MIDI/MCP2_INT: U14.29 U19.19 U19.20
/Arduino MIDI/MUX_S0: U14.25 U16.10
/Arduino MIDI/MUX_S1: U14.26 U16.11
/Arduino MIDI/MUX_S2: U14.27 U16.14
/Arduino MIDI/MUX_S3: U14.22 U16.13
/Arduino MIDI/MUX_SIG: U14.41 U16.1
/Arduino MIDI/RELEASE_BRAKE_ADIN: J21.6 U16.7
/Arduino MIDI/TOUCH_BRAKE_ADIN: J21.5 U16.8
/Arduino MIDI/TRACK_ENC_A: J21.2 U14.30
/Arduino MIDI/TRACK_ENC_B: J21.3 U14.31
/Arduino MIDI/TRACK_ENC_PUSH: J21.4 U14.12
/Audio Outputs/RCA_LEFT: C13.1 J2.6 J3.2 J5.2 R13.2
/Audio Outputs/RCA_RIGHT: C11.1 J2.4 J4.2 J5.3 R12.2
/Compute Module/S_BOOT_GND: SW1.3 U1.93
/Compute Module/S_BT_GND: SW1.2 U1.91
/Compute Module/S_EEPROM_WP_GND: SW1.4 U1.20
/Compute Module/S_WIFI_GND: SW1.1 U1.89
/Compute Module/SD_CLK: R69.2 U20.5 U23.1 U23.6
/Compute Module/SD_CMD: R70.2 U1.62 U20.3 U23.3 U23.4
/Compute Module/SD_DAT0: R76.2 U1.63 U7.1 U7.6 U20.7
/Compute Module/SD_DAT1: R75.2 U1.67 U7.3 U7.4 U20.8
/Compute Module/SD_DAT2: R74.2 U1.69 U20.1 U21.3 U21.4
/Compute Module/SD_DAT3: R72.2 U1.61 U20.2 U21.1 U21.6
/Compute Module/SD_PWR_ON: Q1.1 R71.2 U1.75
/Compute Module/SD_VDD: C76.2 Q2.3 U20.4
/HDMI and Ethernet/eth_nled_2: J12.13 U1.17
/HDMI and Ethernet/eth_nled_3: J12.12 U1.15
/HDMI and Ethernet/eth_p0_n: J12.3 U1.10
/HDMI and Ethernet/eth_p0_p: J12.2 U1.12
/HDMI and Ethernet/eth_p1_n: J12.7 U1.6
/HDMI and Ethernet/eth_p1_p: J12.4 U1.4
/HDMI and Ethernet/eth_p2_n: J12.6 U1.9
/HDMI and Ethernet/eth_p2_p: J12.5 U1.11
/HDMI and Ethernet/eth_p3_n: J12.9 U1.5
/HDMI and Ethernet/eth_p3_p: J12.8 U1.3
/USB DJ Ports/USB_AUX_POWR_VBUS: C15.2 J8.1 U3.6
/USB DJ Ports/USB_C_DJ_DM: U1.103 U22.3
/USB DJ Ports/USB_C_DJ_DP: U1.105 U22.1
/USB DJ Ports/USB_C_DJ_VBUS: C17.2 J9.2 J9.11 U4.6
/USB DJ Ports/USB_DJ_DM: U1.136 U8.6
/USB DJ Ports/USB_DJ_DP: U1.134 U8.4
/USB DJ Ports/USB_DJ_SSRXM: J10.5 U1.128
/USB DJ Ports/USB_DJ_SSRXP: J10.6 U1.130
/USB DJ Ports/USB_DJ_SSTXM: J10.8 U1.140
/USB DJ Ports/USB_DJ_SSTXP: J10.9 U1.142
/USB DJ Ports/USB_DJ_VBUS: C19.2 J10.1 U5.6
/USB DJ Ports/USB_DJ_VBUS_EN: R17.2 R19.2 U1.111 U4.3 U5.3
/USB DJ Ports/USB_SCR_DM: U1.165 U6.6
/USB DJ Ports/USB_SCR_DP: U1.163 U6.4
/USB DJ Ports/USB_SCR_SSRXM: J11.5 U1.157
